# Altium PCB SAMC21_Xplained_Pro.PcbDoc (part 3 of 4)
Units mm, origin at the board's own origin, x right, y up, seen from the top; angles counter-clockwise.
Board outline 60 x 100 mm, 4 copper layers (Top Layer LF-signals, GND, POWER, Bottom Layer LF-signals), stack 1.604 mm thick; 232 components, 162 nets, 1000 pads, 364 vias.
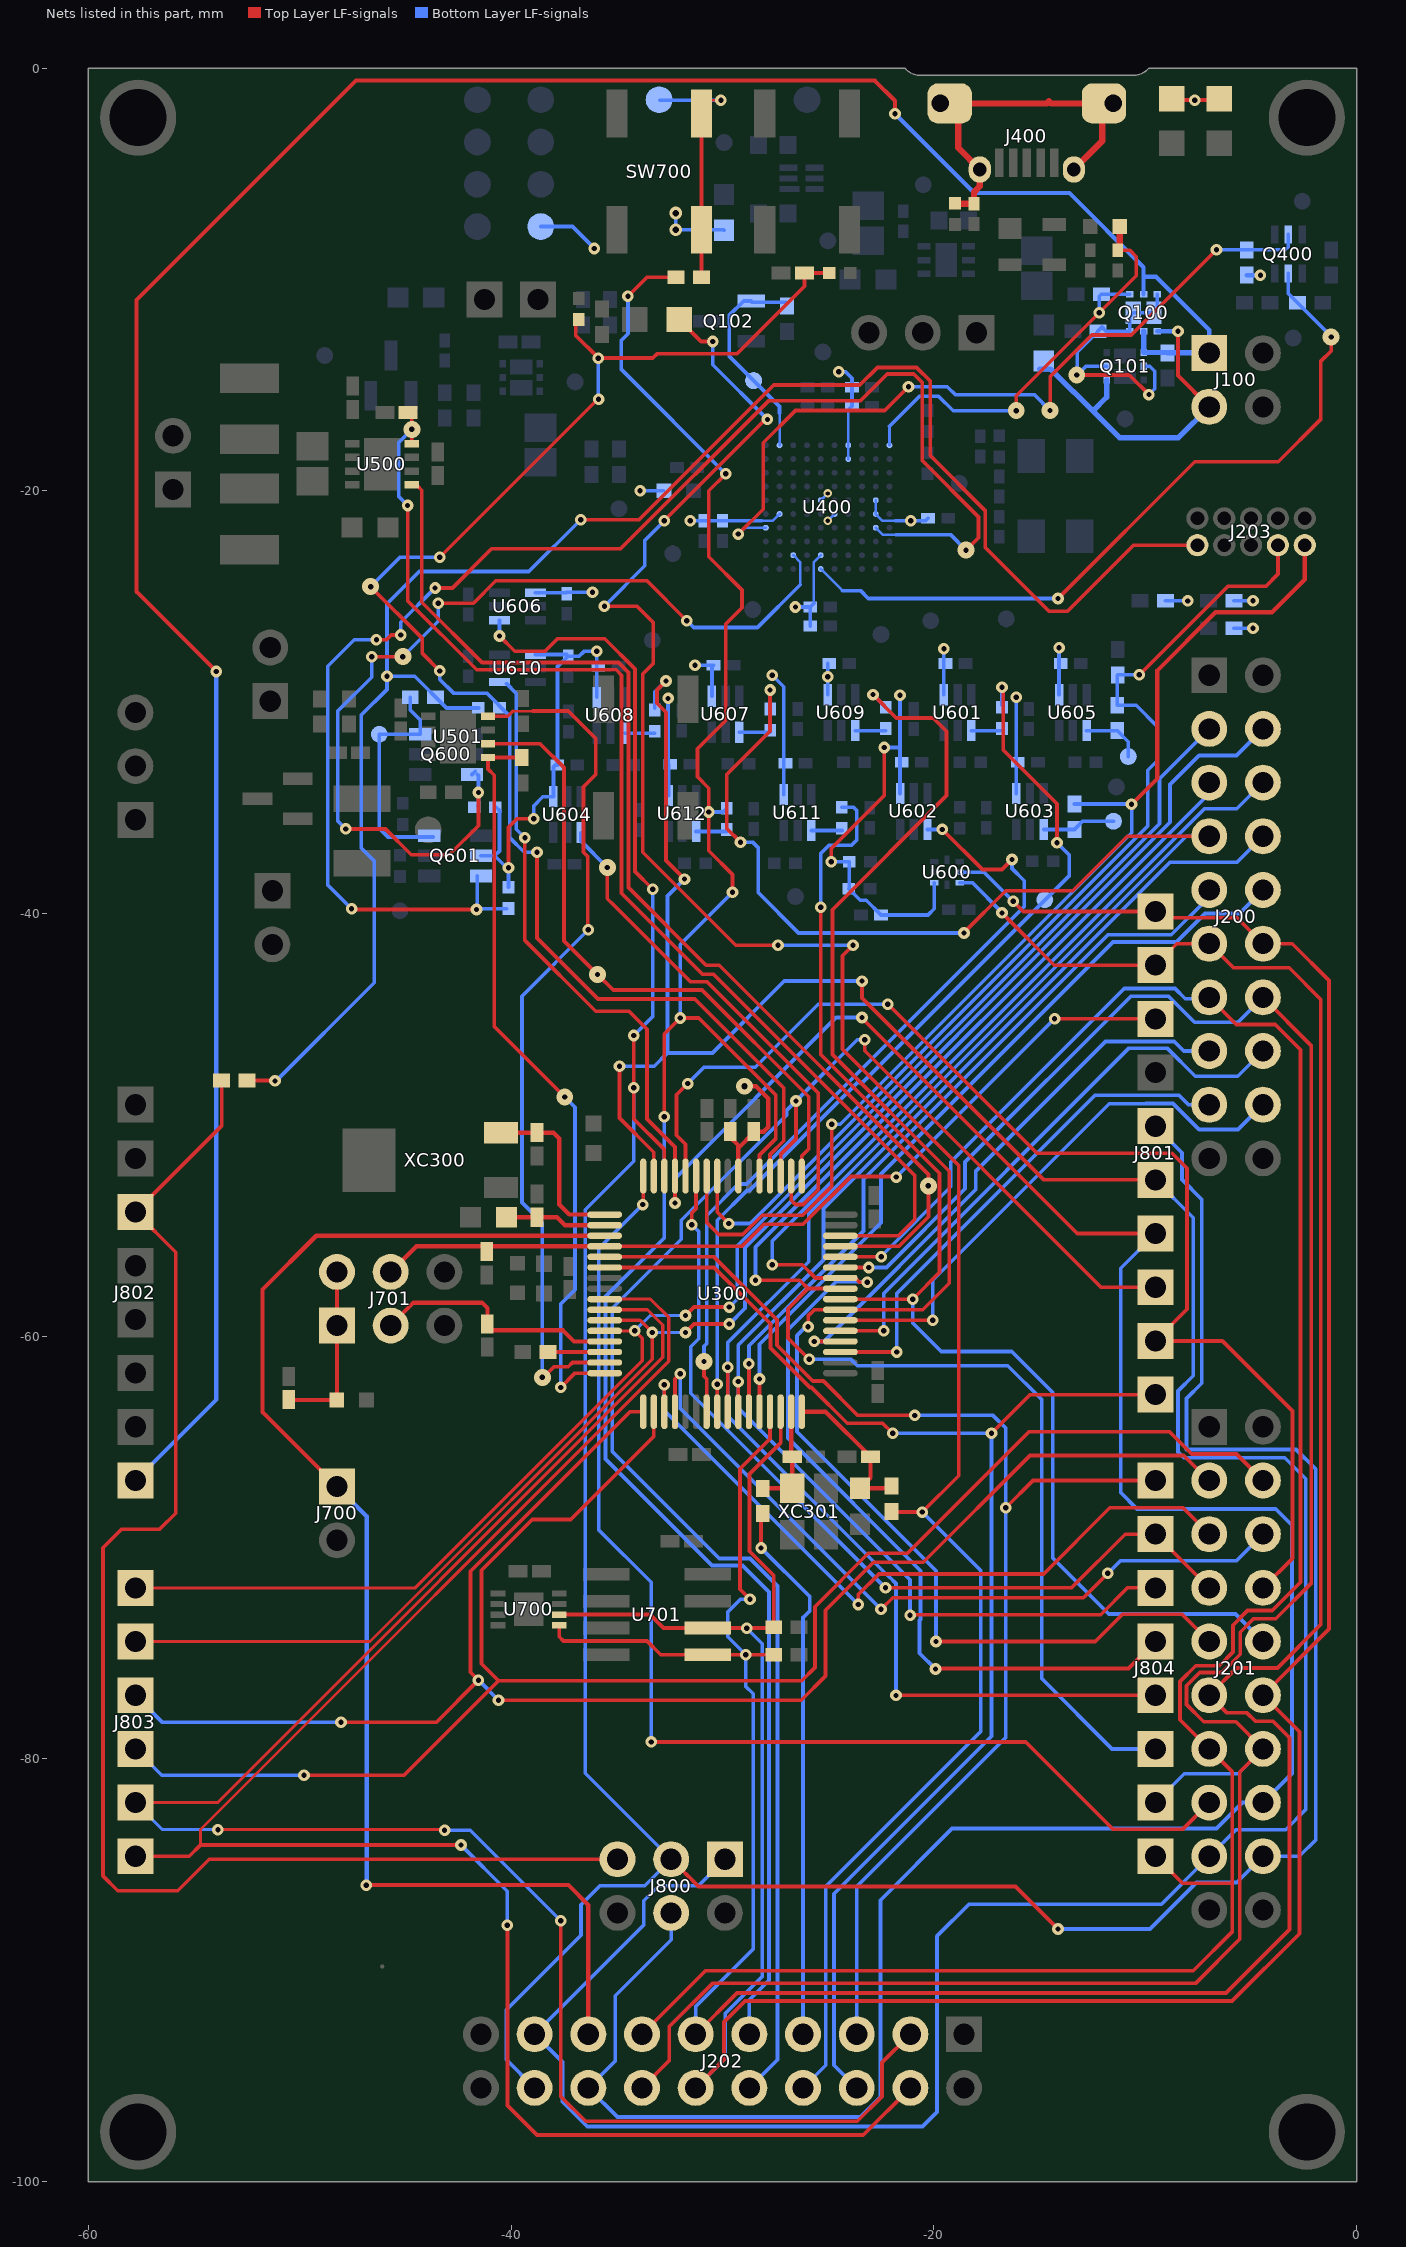
[diagram p5: the nets of this part, all layers, seen from the top]

## Via types
v1: diameter 0.55, hole 0.25, Top Layer LF-signals to Bottom Layer LF-signals, 217 vias
v2: diameter 0.55, hole 0.25, Top Layer LF-signals to Bottom Layer LF-signals, tented both sides, 57 vias
v3: diameter 0.55/0.8 (per signal layer), hole 0.25, Top Layer LF-signals to Bottom Layer LF-signals, tented top, 37 vias
v4: diameter 0.55, hole 0.25, Top Layer LF-signals to Bottom Layer LF-signals, tented top, 14 vias
v5: diameter 0.6, hole 0.3, Top Layer LF-signals to Bottom Layer LF-signals, 11 vias
v6: diameter 0.4, hole 0.2, Top Layer LF-signals to Bottom Layer LF-signals, tented both sides, 10 vias
v7: diameter 0.4, hole 0.2, Top Layer LF-signals to Bottom Layer LF-signals, tented top, 7 vias
v8: diameter 0.4, hole 0.2, Top Layer LF-signals to Bottom Layer LF-signals, 6 vias
v9: diameter 0.5, hole 0.2, Top Layer LF-signals to Bottom Layer LF-signals, 2 vias
v10: diameter 0.6/0.8 (per signal layer), hole 0.3, Top Layer LF-signals to Bottom Layer LF-signals, tented top, 2 vias
v11: diameter 0.55/0.55 (per signal layer), hole 0.25, Top Layer LF-signals to Bottom Layer LF-signals, 1 vias

## Nets (pads, with @x,y where several pads share a name; then routed paths per layer and width w, separated by ;. In a path a pad name is that pad's centre, name@x,y a point inside that pad or via, vN(x,y) a via of type N, cw(c..) or ccw(c..) an arc to the next point about the centre after c; other vN are vias at no path point) (continued)
NetR700_1: R700.1 SW700.3 SW700.4 TP300.1 | length 12.3
  Top Layer LF-signals w0.125: SW700.4@-30.8,-1.525 v4(-30.075,-1.525)
  Top Layer LF-signals w0.2: R700.1@-31.15,-9.85 -31,-9.7 SW700.3@-31,-7.65 SW700.4@-31,-2.15 -30.9,-2.05 -30.9,-1.425 SW700.4@-30.8,-1.525
  Bottom Layer LF-signals w0.175: TP300.1@-32.975,-1.525 v4(-30.075,-1.525)
PA00_XIN32: C302.1 U300.1 XC300.2 | length 8.3
  Top Layer LF-signals w0.2: XC300.2@-40.475,-50.375 C302.1@-38.775,-50.375 -38,-50.375 -37.725,-50.65 -37.725,-53.775 -37.25,-54.25 U300.1@-35.575,-54.25
PA01_XOUT32: C303.1 J302.2 U300.2 | length 4.8
  Top Layer LF-signals w0.2: J302.2@-40.225,-54.375 C303.1@-38.775,-54.375 -37.825,-54.375 -37.45,-54.75 U300.2@-35.575,-54.75
PA02_SPI_SS: J202.15@-36.35,-93.03 J700.1@-48.24,-67.12 U300.3 | length 64.5
  Top Layer LF-signals w0.2: J700.1@-48.24,-67.12 -51.762,-63.598 -51.762,-57.787 -49.225,-55.25 U300.3@-35.575,-55.25 ; v2(-46.85,-85.975) -37.288,-85.975 -36.35,-86.913 J202.15@-36.35,-93.03
  Bottom Layer LF-signals w0.2: J700.1@-48.24,-67.12 -46.838,-68.523 -46.838,-85.963 v2(-46.85,-85.975)
PA03_ADC_DAC_VREF: C704.1 J701.4@-45.7,-56.96 J801.8@-9.518,-44.986 U300.4 | length 45
  Top Layer LF-signals w0.175: U300.4@-35.575,-55.75 -29.075,-55.75 -28.025,-54.7 -26.175,-54.7 -23.925,-52.45 v1@-21.775,-52.45 ; v2(-14.287,-44.987) -9.52,-44.987 J801.8@-9.518,-44.986 -13.373,-44.986
  Top Layer LF-signals w0.2: J701.4@-45.7,-56.96 -44.49,-55.75 U300.4@-35.575,-55.75
  Bottom Layer LF-signals w0.175: v1(-21.775,-52.475) v2(-14.287,-44.987)
PA04_SDADC_VREF: C703.1 J701.3@-45.7,-59.5 U300.13 | length 11.4
  Top Layer LF-signals w0.2: J701.3@-45.7,-59.5 -44.615,-58.415 -41.385,-58.415 -41.125,-58.675 C703.1@-41.125,-59.425 ; C703.1@-40.875,-59.725 -37.55,-59.725 -37.025,-60.25 U300.13@-35.575,-60.25
PA05_QTB_Y3: R701.2 U300.14 | length 2.7
  Top Layer LF-signals w0.175: R701.2@-38.25,-60.75 U300.14@-35.575,-60.75
PA06_S0_LIN_TX: U300.15 U501.4 | length 41.2
  Top Layer LF-signals w0.125: -39.925,-30.425 -38.975,-30.425
  Top Layer LF-signals w0.15: U501.4@-41.1,-30.67 -40.17,-30.67 -39.925,-30.425
  Top Layer LF-signals w0.175: -38.975,-30.425 -37.3,-30.425 -36,-31.725 -36,-33.425 -36.575,-34 -36.575,-37.1 -36.375,-37.3 v1@-36.375,-40.775 ; v3@-38.5,-61.975 -37.975,-61.45 -37.3,-61.45 -37.1,-61.25 U300.15@-35.575,-61.25
  Bottom Layer LF-signals w0.175: v3(-38.525,-61.95) -38.525,-54.638 -39.488,-53.675 -39.488,-43.913 v1(-36.35,-40.775)
PA07_S0_LIN_RX: R504.1 U300.16 U501.1 | length 36
  Top Layer LF-signals w0.175: R504.1@-39.5,-32.625 R504.1@-39.352,-32.773 ; R504.1@-39.5,-32.62 U501.1@-41.1,-32.62 -41.1,-33.162 -40.8,-33.463 -40.8,-45.35 v3(-37.463,-48.687) ; v1(-37.65,-62.425) -36.975,-61.75 U300.16@-35.575,-61.75
  Bottom Layer LF-signals w0.175: v1(-37.65,-62.425) -37.65,-58.479 -36.975,-57.804 -36.975,-49.175 v3(-37.463,-48.687)
PA08_AIN10_X0: J201.3@-6.97,-66.83 J803.3@-57.778,-76.99 U300.17 | length 76.3
  Top Layer LF-signals w0.175: v2(-48.05,-78.275) -43.55,-78.275 v1(-41.55,-76.275) -41.925,-75.9 -41.925,-71.125 -34.375,-63.575 U300.17@-33.75,-63.575 ; v1@-40.525,-77.225 -26.275,-77.225 -25.125,-76.075 -25.125,-72.975 -22.85,-70.7 -20.5,-70.7 -15.45,-65.65 -8.175,-65.65 -6.995,-66.83 J201.3@-6.97,-66.83
  Bottom Layer LF-signals w0.175: J803.3@-57.778,-76.99 -56.493,-78.275 v2(-48.05,-78.275) ; v1@-41.475,-76.275 v1(-41.55,-76.275) v1(-40.6,-77.225)
PA09_AIN11_X1: J201.4@-4.43,-66.83 J803.4@-57.778,-79.53 U300.18 | length 80.7
  Top Layer LF-signals w0.175: v2(-49.8,-80.775) -45.075,-80.775 -40.6,-76.3 ; U300.18@-33.25,-63.575 -33.25,-64.75 -37.175,-68.675 -38.997,-68.675 -41.4,-71.078 -41.4,-75.5 -40.6,-76.3 ; J201.4@-4.43,-66.83 -5.685,-65.575 -7.8,-65.575 -8.85,-64.525 -15.5,-64.525 -21.25,-70.275 -23.1,-70.275 -25.625,-72.8 -25.625,-75.675 -26.25,-76.3 -40.6,-76.3
  Bottom Layer LF-signals w0.15: J803.4@-57.778,-79.53 -56.533,-80.775
  Bottom Layer LF-signals w0.175: -56.533,-80.775 v2(-49.8,-80.775)
PA10_GPIO_X2: J201.5@-6.97,-69.37 U300.19 | length 34.8
  Top Layer LF-signals w0.175: U300.19@-32.75,-63.575 v1(-32.75,-62.3) ; v1(-23.575,-72.7) -23.575,-72.225 -22.6,-71.25 -14.8,-71.25 -11.675,-68.125 -8.215,-68.125 J201.5@-6.97,-69.37
  Bottom Layer LF-signals w0.175: v1(-32.75,-62.3) -32.75,-63.525 v1(-23.575,-72.7)
PA11_GPIO_X3: J201.6@-4.43,-69.37 U300.20 | length 36.5
  Top Layer LF-signals w0.175: U300.20@-32.25,-63.575 -32.25,-62.025 v1(-32,-61.775) ; v1(-22.5,-72.925) -21.95,-72.375 -12.925,-72.375 v1(-11.775,-71.225)
  Bottom Layer LF-signals w0.175: v1(-32,-61.775) -32,-63.425 v1(-22.5,-72.925) ; v1(-11.775,-71.225) -11.175,-70.625 -5.685,-70.625 J201.6@-4.43,-69.37
PA12_S2_I2C_SDA: J200.11@-6.97,-41.43 J201.11@-6.97,-76.99 J202.11@-31.27,-93.03 J801.9@-9.518,-42.446 R305.1 U300.29 U600.7 U700.5 U701.5 | length 144
  Top Layer LF-signals w0.175: U700.5@-37.725,-73.675 -37.725,-74.225 -37.525,-74.425 -33.575,-74.425 -32.92,-75.08 U701.5@-30.7,-75.08 -27.58,-75.08 R305.1@-27.575,-75.075 ; J202.11@-31.27,-93.03 -29.315,-91.075 -6.175,-91.075 -3.175,-88.075 -3.175,-79 -3.95,-78.225 -4.787,-78.225 -5.187,-77.825 -6.135,-77.825 J201.11@-6.97,-76.99 -5.68,-75.7 -3.742,-75.7 -1.7,-73.658 -1.7,-44.055 -3.18,-42.575 -5.825,-42.575 J200.11@-6.97,-41.43 -8.502,-41.43 J801.9@-9.518,-42.446 -14.304,-42.446 v2(-16.775,-39.975) ; v1(-28.7,-72.45) -29.175,-71.975 -29.175,-66.275 -27.75,-64.85 U300.29@-27.75,-63.575
  Bottom Layer LF-signals w0.175: J202.11@-31.27,-93.03 -31.27,-91.72 -28.55,-89 -28.55,-76.925 -28.9,-76.575 v1(-28.9,-75.075) -29.75,-74.225 -29.75,-73.05 -29.15,-72.45 v1(-28.7,-72.45) ; U600.7@-18.77,-38.55 -18.175,-38.55 -16.75,-39.975 v2(-16.775,-39.975)
PA13_S2_I2C_SCL: J200.12@-4.43,-41.43 J201.12@-4.43,-76.99 J202.12@-31.27,-95.57 J801.10@-9.518,-39.906 R306.1 U300.30 U600.6 U700.6 U701.6 | length 144.4
  Top Layer LF-signals w0.125: R306.1@-27.635,-73.81 R306.1@-27.6,-73.775
  Top Layer LF-signals w0.175: U700.6@-37.725,-73.175 -33.425,-73.175 -32.79,-73.81 U701.6@-30.7,-73.81 R306.1@-27.635,-73.81 ; J202.12@-31.27,-95.57 -29.925,-94.225 -29.925,-92.45 -28.937,-91.462 -5.887,-91.462 -2.7,-88.275 -2.7,-78.72 J201.12@-4.43,-76.99 -1.3,-73.86 -1.3,-43.175 -3.045,-41.43 J200.12@-4.43,-41.43 -5.66,-40.2 -9.224,-40.2 J801.10@-9.518,-39.906 -15.769,-39.906 v2(-16.25,-39.425) ; R306.1@-27.575,-73.775 -27.575,-71.329 -28.725,-70.179 -28.725,-66.525 -27.25,-65.05 U300.30@-27.25,-63.575
  Bottom Layer LF-signals w0.175: J202.12@-31.27,-95.57 -29.875,-94.175 -29.875,-92.05 -28.123,-90.298 -28.123,-74.553 v1(-28.85,-73.825) ; U600.6@-18.77,-38.05 -17.625,-38.05 v2(-16.25,-39.425)
PA14_PWM_TC4_W0: J202.7@-26.19,-93.03 R313.2 | length 25.8
  Top Layer LF-signals w0.175: v1(-28.175,-70.025) -28.175,-68.475 R313.2@-28.1,-68.4
  Bottom Layer LF-signals w0.175: v1(-28.175,-70.025) -25.877,-72.323 -25.877,-72.6 -25.877,-73.006 -26.169,-73.298 -26.19,-73.298 J202.7@-26.19,-93.03
PA14_XIN: C318.1 R313.1 U300.31 XC301.1 | length 5
  Top Layer LF-signals w0.2: R313.1@-28.1,-67.2 XC301.1@-26.7,-67.2 C318.1@-26.7,-65.7 ; C318.1@-26.75,-65.65 U300.31@-26.75,-63.575
PA15_PWM_TC4_W1: D700.1 J202.8@-26.19,-95.57 R314.2 | length 107.7
  Top Layer LF-signals w0.175: v1(-35.587,-25.463) -34.05,-25.463 -33.275,-26.237 -33.275,-28.175 -33.775,-28.675 -33.775,-37.104 -29.379,-41.5 v2(-27.375,-41.5) ; v1(-32.75,-21.425) -32.75,-21.396 -27.979,-16.625 v1(-27.875,-16.625) ; D700.1@-32.05,-11.9 -31.012,-12.938 v1(-30.462,-12.938) ; v1(-23.825,-41.5) -24.325,-42 -24.325,-46.425 -18.825,-51.925 -18.825,-66.6 v1(-20.55,-68.325) -21.975,-68.325 R314.2@-22,-68.3
  Bottom Layer LF-signals w0.175: v1(-35.587,-25.463) -33.675,-23.55 -33.675,-22.35 v1(-32.75,-21.425) ; v1(-30.462,-12.938) -30.462,-14.038 v1(-27.875,-16.625) ; v2(-27.375,-41.5) v1(-23.825,-41.5) ; J202.8@-26.19,-95.57 -25.117,-94.497 -25.117,-86.042 -17.775,-78.7 -17.775,-71.1 v1(-20.55,-68.325)
PA15_XOUT: C319.1 J300.2 R314.1 U300.32 | length 7.2
  Top Layer LF-signals w0.2: U300.32@-26.25,-63.575 -25.125,-63.575 C319.1@-23,-65.7 -23,-66.7 J300.2@-23.5,-67.2 R314.1@-22.1,-67.2
PA16_S1_SPI_MISO: J200.17@-6.97,-49.05 U300.35 | length 24.3
  Top Layer LF-signals w0.175: U300.35@-24.425,-60.75 v1(-21.75,-60.75)
  Bottom Layer LF-signals w0.175: v1(-21.75,-60.75) -21.75,-57.975 -12.374,-48.599 -8.401,-48.599 -7.95,-49.05 J200.17@-6.97,-49.05
PA17_S1_SPI_SS: J200.15@-6.97,-46.51 U300.36 | length 26.5
  Top Layer LF-signals w0.175: v1@-25.637,-60.25 U300.36@-24.425,-60.25
  Bottom Layer LF-signals w0.175: v1(-25.662,-60.25) -25.2,-60.25 -18.025,-53.075 -18.025,-52.212 -11.875,-46.063 -8.625,-46.063 -8.177,-46.51 J200.15@-6.97,-46.51
PA18_S1_SPI_MOSI_Y22: J200.16@-4.43,-46.51 U300.37 | length 27.8
  Top Layer LF-signals w0.175: U300.37@-24.4,-59.725 U300.37@-24.425,-59.75 v1(-22.375,-59.75) v1@-22.3,-59.825
  Bottom Layer LF-signals w0.175: v1(-22.375,-59.75) -22.375,-57.977 -10.771,-46.373 -8.965,-46.373 -7.638,-47.7 -5.62,-47.7 J200.16@-4.43,-46.51
PA19_S1_SPI_SCK_Y23: J200.18@-4.43,-49.05 U300.38 | length 26.4
  Top Layer LF-signals w0.175: U300.38@-24.425,-59.25 v1(-20.05,-59.25)
  Bottom Layer LF-signals w0.175: v1@-20.075,-59.3 v1@-20.038,-59.263 ; v1(-20.05,-59.25) -20.05,-57.35 -11.7,-49 -9.969,-49 -9.962,-48.993 -8.682,-48.993 -7.45,-50.225 -5.605,-50.225 J200.18@-4.43,-49.05
PA20_GPIO_RTS_TE_Y26: J200.5@-6.97,-33.81 J804.3@-9.518,-79.53 U300.41 | length 72.5
  Top Layer LF-signals w0.175: v1(-28.437,-57.35) -26.35,-57.35 -25.95,-57.75 ; v1(-25.9,-61.1) -26.9,-60.1 -26.9,-58.7 -25.95,-57.75 ; U300.41@-24.425,-57.75 -25.95,-57.75
  Bottom Layer LF-signals w0.175: v1(-28.437,-57.35) -28.437,-55.788 -6.97,-34.32 J200.5@-6.97,-33.81 ; v1(-25.9,-61.1) -23.925,-61.1 -23.625,-61.4 -16.5,-61.4 -14.9,-63 -14.9,-76.2 -11.57,-79.53 J804.3@-9.518,-79.53
PA21_GPIO_CTS_Y27: J200.6@-4.43,-33.81 J804.5@-9.518,-74.45 U300.42 | length 72.8
  Top Layer LF-signals w0.175: v1(-27.641,-56.625) -26.225,-56.625 -25.6,-57.25 U300.42@-24.425,-57.25 -23.723,-57.25 -23.52,-57.453 v1(-23.151,-57.453) ; v1@-19.925,-75.725 -10.793,-75.725 J804.5@-9.518,-74.45
  Bottom Layer LF-signals w0.175: v1(-27.641,-56.625) -27.641,-55.491 -7.2,-35.05 -5.67,-35.05 J200.6@-4.43,-33.81 ; v1(-23.151,-57.453) -23.151,-57.449 -23.175,-57.425 -24.625,-57.425 -26.9,-59.7 -26.9,-64.825 -20.627,-71.098 -20.627,-73.406 -20.675,-73.454 -20.675,-75 v1(-19.925,-75.75)
PA22_S3_UART_TX: J200.14@-4.43,-43.97 J201.14@-4.43,-79.53 J202.14@-33.81,-95.57 J804.2@-9.518,-82.07 U300.43 | length 117.4
  Top Layer LF-signals w0.175: J202.14@-33.81,-95.57 -32.515,-94.275 -32.515,-92.665 -30.475,-90.625 -7.625,-90.625 -5.525,-88.525 -5.525,-80.625 J201.14@-4.43,-79.53 -5.71,-78.25 -7.227,-78.25 -8.043,-77.434 -8.043,-76.546 -7.414,-75.917 -6.367,-75.917 -5.503,-75.052 -5.503,-74.006 -4.872,-73.375 -3.825,-73.375 -2.15,-71.7 -2.15,-46.25 J200.14@-4.43,-43.97 ; U300.43@-24.425,-56.75 v1@-23.05,-56.75
  Bottom Layer LF-signals w0.175: v1(-23.075,-56.75) -22.244,-56.75 -18.525,-53.031 -18.525,-51.762 -10.676,-43.913 -8.899,-43.913 -7.662,-45.15 -5.61,-45.15 J200.14@-4.43,-43.97 ; J804.2@-9.518,-82.07 -8.148,-80.7 -5.6,-80.7 J201.14@-4.43,-79.53
PA23_S3_UART_RX: J200.13@-6.97,-43.97 J201.13@-6.97,-79.53 J202.13@-33.81,-93.03 J804.1@-9.518,-84.61 U300.44 | length 109.5
  Top Layer LF-signals w0.175: J202.13@-33.81,-93.03 -30.805,-90.025 -7.725,-90.025 -5.875,-88.175 -5.875,-85.88 ; U300.44@-24.425,-56.25 v1(-22.494,-56.25) ; J804.1@-9.518,-84.61 -8.248,-85.88 -5.875,-85.88 ; J200.13@-6.97,-43.97 -5.69,-45.25 -3.85,-45.25 -2.65,-46.45 -2.65,-71.647 -3.986,-72.983 -5.158,-72.983 -5.85,-73.675 -5.85,-74.95 -6.5,-75.6 -7.613,-75.6 -8.353,-76.34 -8.353,-78.147 J201.13@-6.97,-79.53 -5.875,-80.625 -5.875,-85.88
  Bottom Layer LF-signals w0.175: v1@-22.494,-56.225 -19.2,-52.931 -19.2,-51.762 -10.987,-43.55 -8.587,-43.55 -8.1,-44.037 -7.037,-44.037 J200.13@-6.97,-43.97
PA24_CAN0_TX: U300.45 U500.1 | length 53.5
  Top Layer LF-signals w0.175: U500.1@-44.438,-19.763 -44.225,-19.975 -44.225,-25.275 -41.375,-28.125 -34.925,-28.125 -34.45,-28.6 -34.45,-38.775 -30.775,-42.45 -30.15,-42.45 -20.25,-52.35 -20.25,-54.35 -21.64,-55.74 U300.45@-24.415,-55.74
  other v3: -20.262,-52.887
PA25_CAN0_RX: C501.1 U300.46 U500.4 | length 57.3
  Top Layer LF-signals w0.175: v1(-44.9,-20.7) -44.9,-25.2 -41.63,-28.47 -35.03,-28.47 -34.775,-28.725 -34.775,-39.05 -30.95,-42.875 -30.425,-42.875 -20.9,-52.4 -20.9,-54.475 -21.675,-55.25 U300.46@-24.425,-55.25 ; C501.1@-44.875,-16.295 -44.7,-16.47 v3(-44.7,-17.095) U500.4@-44.7,-17.77
  Bottom Layer LF-signals w0.175: v1(-44.9,-20.7) -45.313,-20.287 -45.313,-17.708 v3(-44.7,-17.095)
PA27_GPIO_SS: J202.10@-28.73,-95.57 J801.3@-9.518,-57.686 U300.51 | length 82.1
  Top Layer LF-signals w0.175: U300.51@-27.25,-52.425 -27.25,-51.4 -26.525,-50.675 v1(-26.525,-48.875) ; v1(-23.275,-45.975) -23.275,-46.5 -12.089,-57.686 J801.3@-9.518,-57.686
  Bottom Layer LF-signals w0.175: J202.10@-28.73,-95.57 -27.4,-94.24 -27.4,-71.825 -28.7,-70.525 -30.15,-70.525 -35.213,-65.463 -35.213,-58.684 -31.948,-55.419 -31.948,-54.519 -26.975,-49.546 -26.975,-49.325 v1(-26.525,-48.875) -23.625,-45.975 v1(-23.275,-45.975)
PA28_GPIO_IRQ8: J202.9@-28.73,-93.03 R621.2 R700.2 U300.53 | length 107.6
  Top Layer LF-signals w0.175: v1(-34.475,-10.8) -33.575,-9.9 R700.2@-32.2,-9.9 ; v1(-32.76,-49.625) -32.76,-45.71 v1(-32,-44.95) -31.125,-44.95 -27.475,-48.6 -27.475,-50.652 -28.25,-51.427 U300.53@-28.25,-52.425 ; v2(-29.852,-19.202) -30.65,-20 -30.65,-23.125 -29.077,-24.698 -29.077,-25.534 -29.85,-26.306 -29.85,-30.875 -31.187,-32.213 -31.187,-33.537 -30.65,-34.075 v1(-30.65,-35.2) -30.65,-37.038 -29.525,-38.163 v1(-29.525,-39)
  Bottom Layer LF-signals w0.175: v1(-34.475,-10.8) -34.475,-12.567 -34.785,-12.877 -34.785,-14.269 v2(-29.852,-19.202) ; v1(-32.76,-49.625) -32.76,-55.353 -35.533,-58.125 -35.533,-65.817 -30.502,-70.848 -29.052,-70.848 -27.8,-72.1 -27.8,-90.475 -28.73,-91.405 J202.9@-28.73,-93.03 ; v1(-32,-44.95) -32,-41.475 v1(-29.525,-39) ; v1(-30.65,-35.2) -29.975,-35.2 R621.2@-29.8,-35.025
PA30_SWCLK: J203.4@-3.72,-22.575 R301.1 R612.2 U300.57 | length 49.7
  Top Layer LF-signals w0.175: U300.57@-30.25,-52.425 -30.25,-54.125 v1(-29.7,-54.675) ; v2(-10.288,-28.713) -6.1,-24.525 -4.3,-24.525 -3.72,-23.945 J203.4@-3.72,-22.575
  Bottom Layer LF-signals w0.175: v1(-29.7,-54.675) -28.687,-54.675 -9.875,-35.863 -9.875,-33.225 -9.45,-32.8 -9.45,-31.125 -10.425,-30.15 R612.2@-11.325,-30.15 -11.325,-28.737 R301.1@-11.3,-28.712 v2(-10.288,-28.713)
PA31_SWDIO: J203.2@-2.45,-22.575 R611.2 U300.58 | length 53.4
  Top Layer LF-signals w0.175: U300.58@-30.75,-52.425 -30.75,-54.625 -30.183,-55.192 -29.042,-55.192 -28.125,-54.275 -26.2,-54.275 -24.825,-52.9 v1(-24.825,-49.975)
  Top Layer LF-signals w0.2: v2(-10.65,-34.837) -9.425,-33.613 -9.425,-28.5 -6.675,-25.75 -4,-25.75 -2.45,-24.2 J203.2@-2.45,-22.575
  Bottom Layer LF-signals w0.175: v1(-24.825,-49.975) -24.425,-49.975 -10.637,-36.187 v2@-10.637,-34.837
  Bottom Layer LF-signals w0.2: R611.2@-13.35,-34.825 v2@-10.65,-34.825
PB00_S5_SPI_MOSI: J201.16@-4.43,-82.07 J202.16@-36.35,-95.57 J800.4@-32.429,-87.29 J801.4@-9.518,-55.146 U300.61 U610.4 | length 149.5
  Top Layer LF-signals w0.175: v1(-39.35,-36.425) -39.35,-41.275 -36,-44.625 -34.425,-44.625 -33.575,-45.475 -33.575,-49.725 -32.25,-51.05 U300.61@-32.25,-52.425 v1(-32.25,-53.703) ; v1@-23.425,-44.932 -13.211,-55.146 J801.4@-9.518,-55.146
  Bottom Layer LF-signals w0.175: U610.4@-40.225,-29.125 -39.763,-29.587 -39.763,-36.012 v1(-39.35,-36.425) ; J800.4@-32.429,-87.29 -32.429,-88.56 -35.075,-91.206 -35.075,-94.295 J202.16@-36.35,-95.57 -34.97,-96.95 -23.475,-96.95 -22.525,-96 -22.525,-86.687 -19.138,-83.3 -6.625,-83.3 -5.395,-82.07 J201.16@-4.43,-82.07 -3.05,-80.69 -3.05,-68.95 -3.825,-68.175 -10.388,-68.175 -11.162,-67.4 -11.162,-56.79 J801.4@-9.518,-55.146 ; v1(-32.25,-53.703) -32.25,-52.55 -24.625,-44.925 v1(-23.4,-44.925)